# Altium PCB PCB1.PcbDoc
Units mm, origin at the board's own origin, x right, y up, seen from the top; angles counter-clockwise.
Board outline 152.4 x 101.6 mm, 2 copper layers (Top Layer, Bottom Layer); 15 components, 22 nets, 86 pads, 0 vias.
Unrouted connection lines stored in the file: 40.
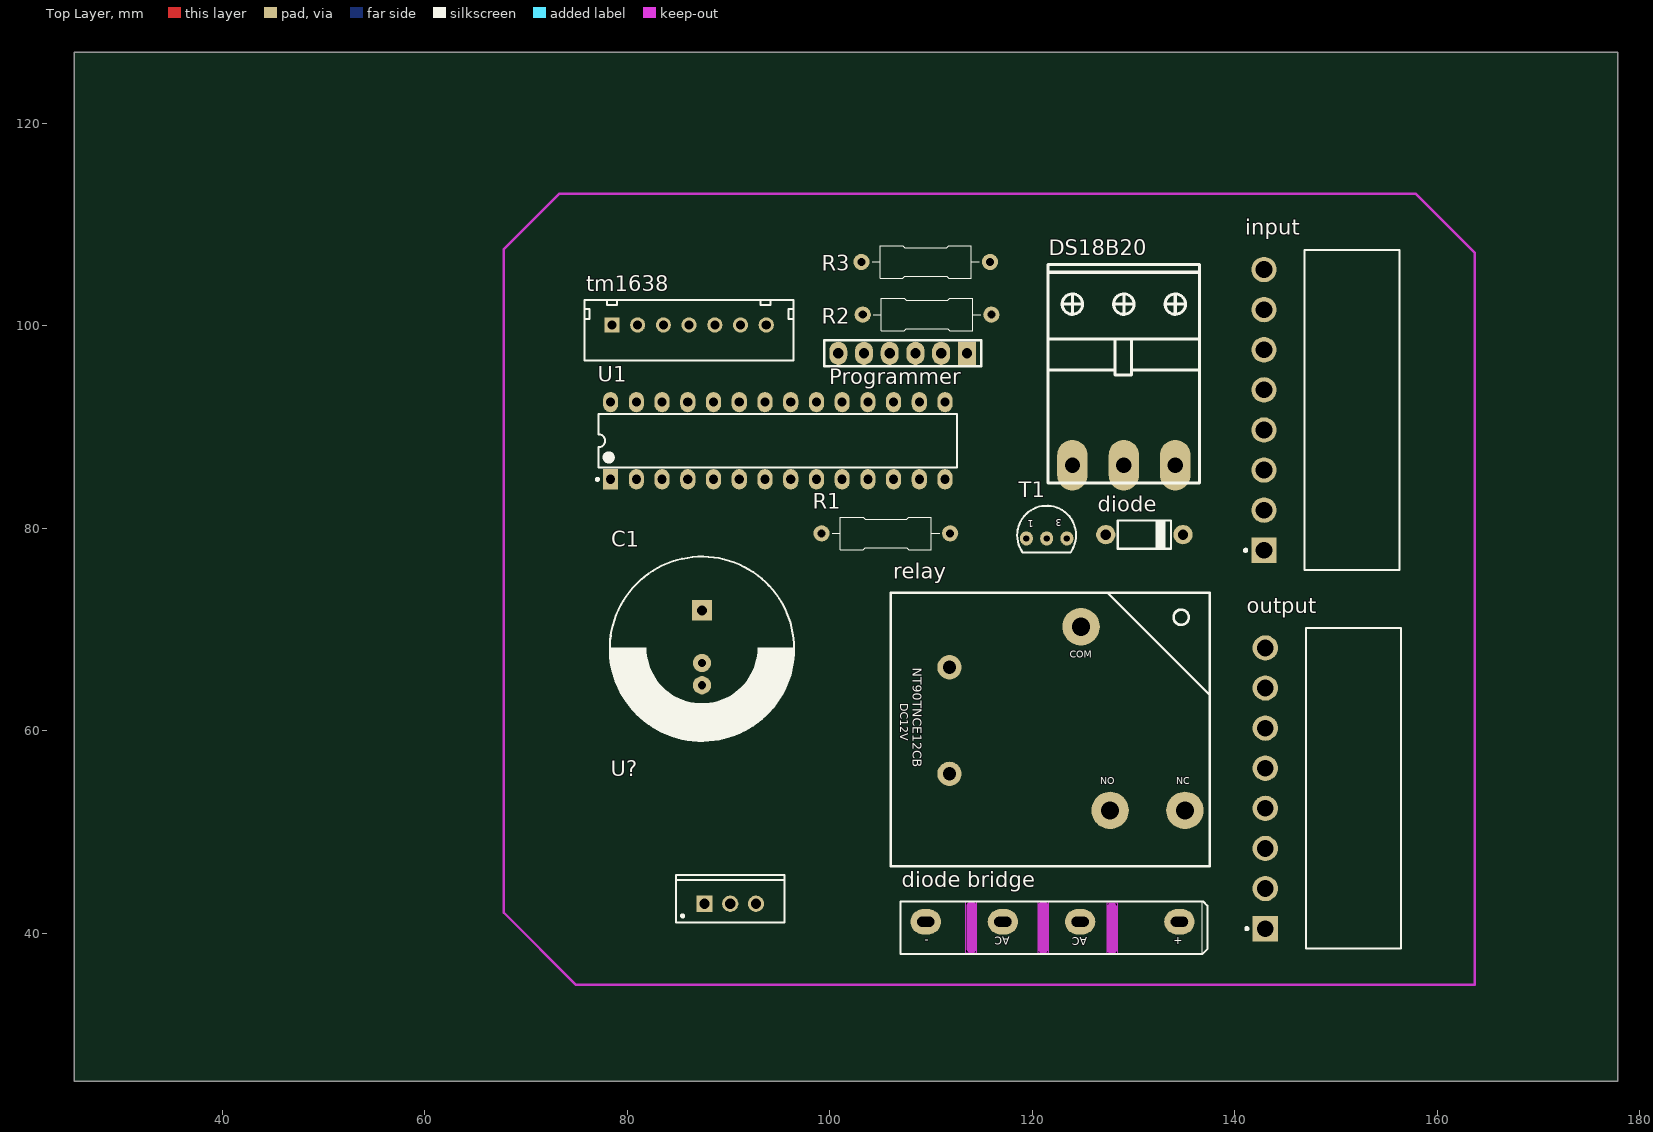
[diagram p0: Top Layer view]
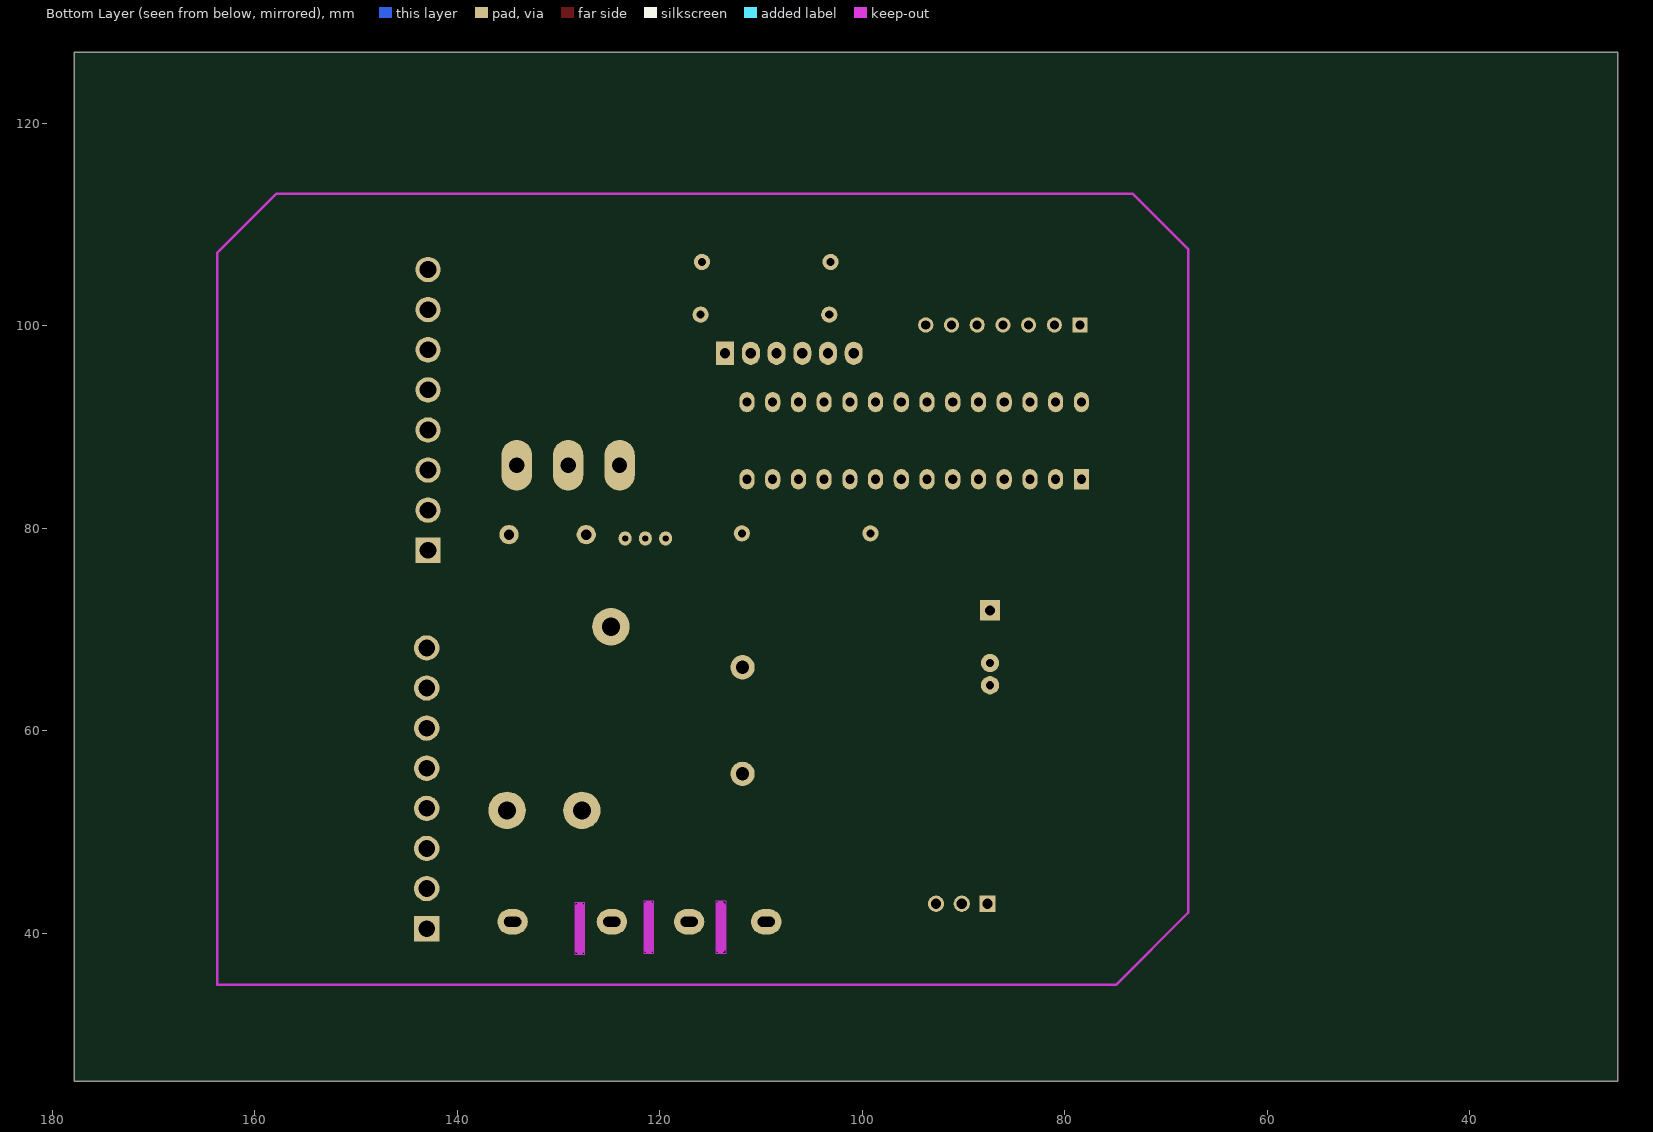
[diagram p1: Bottom Layer view, seen from below]

## Layer stack, top to bottom
Top Solder: solder mask 0.0102, Solder Resist, Dk 3.5
Top Layer: signal copper 0.0356
Dielectric 1: dielectric 0.32, FR-4, Dk 4.8
Bottom Layer: signal copper 0.0356
Bottom Solder: solder mask 0.0102, Solder Resist, Dk 3.5

## Board outline
25.4,25.4 177.8,25.4 177.8,127 25.4,127

## Design rules (kind name [scope] priority, off if disabled: settings)
Clearance [All] p1: gap=0.3 ignorepadtopadclearanceinfootprint=FALSE
PolygonConnect [All] p1: connectstyle=Relief reliefconductorwidth=0.254 reliefentries=4 polygonreliefangle="90 Angle" airgapwidth=0.254
RoomDefinition Sheet1 [InComponentClass('Sheet1')] p1: confinementstyle=ConfineIn formatcopy=TRUE lockcomponents=FALSE outline 0,0 50.8,0 50.8,25.4 0,25.4
RoutingLayers [All] p1: top layer_v5=FALSE bottom layer_v5=TRUE
RoutingVias [All] p1: holewidth=0.711 width=1.27 viastyle="Through Hole" minholewidth=0.711 minwidth=1.27 maxholewidth=0.711 maxwidth=1.27
SolderMaskExpansion [All] p1: expansion=0.102 istentingtop=FALSE
Width [All] p1: maxlimit=1.5 minlimit=0.3 preferedwidth=0.5
29 further rules are at their usual default settings.

## Components (designator, comment, footprint, x,y, rotation, side; value= is the part's Value field where it differs from the comment)
C1 "Cap 18x26" "Cap electrolitic radial 18x26" 87.376,68.199 r270 top value=3300uF25V
diode "DIP Diode" "Diode 1n4007" 127.254,79.375 r0 top
"diode bridge" "Diode Bridge" "Bridge KBJ PACKAGE" 121.999,41.148 r180 top
DS18B20 "PHONIX3" PHONIX3 123.952,86.233 r0 top
input "B8PS-VH(LF)(SN)" FP-B8PS-VH_LF_SN-MFG 151.575,91.688 r90 top
output "B8PS-VH(LF)(SN)" FP-B8PS-VH_LF_SN-MFG 151.702,54.327 r90 top
Programmer "Header 6" HDR1X6 113.538,97.282 r180 top
R1 "10K" "Axial 0_5W 5_0mm" 105.537,79.502 r180 top
R2 "10K" "Axial 0_5W 5_0mm" 109.601,101.092 r0 top
R3 "100" "Axial 0_5W 5_0mm" 109.474,106.299 r180 top
relay "RELAY NT90TNC12CB" "RELAY NT90TNC12CB" 123.444,61.214 r270 top
T1 "C945" c945 121.412,78.994 r180 top
tm1638 "Header H6B-XHA" "Header H7B-XHA" 86.106,100.076 r180 top
U1 "ATmega8A-PU" 28P3 94.869,88.646 r90 top
U? "L7805CV" "TO-220 AB WITH HEAT SINK" 90.17,42.926 r0 top

## Footprints (in the part's own frame and the unit in brackets; to place one, negate y for a bottom-side part, rotate by r counter-clockwise, add the part's x,y. Pads: shape width x height; smd on the part's side, far side on the other; paste and mask are expansions set on the pad)
28P3 [mm] "DIP, 28-Leads, Row Spacing 7.62mm, Pitch 2.54mm, Body 34.67x7.3mm"
  rect 2x1.5 hole 0.9: 1(-3.81,16.51)
  oval 2x1.5 hole 0.9: 2(-3.81,13.97) 3(-3.81,11.43) 4(-3.81,8.89) 5(-3.81,6.35) 6(-3.81,3.81) 7(-3.81,1.27) 8(-3.81,-1.27) 9(-3.81,-3.81) 10(-3.81,-6.35) 11(-3.81,-8.89) 12(-3.81,-11.43) 13(-3.81,-13.97) 14(-3.81,-16.51) 15(3.81,-16.51) 16(3.81,-13.97) 17(3.81,-11.43) 18(3.81,-8.89) 19(3.81,-6.35) 20(3.81,-3.81) 21(3.81,-1.27) 22(3.81,1.27) 23(3.81,3.81) 24(3.81,6.35) 25(3.81,8.89) 26(3.81,11.43) 27(3.81,13.97) 28(3.81,16.51)
  silkscreen extent -3.93,-17.7 2.65,17.93, body extent -3.95,-17.35 3.95,17.3, height 5.04
"Axial 0_5W 5_0mm" [mm] "Designer Abbas Basereh"
  round 1.6 hole 0.8: 1(6.35,0) 2(-6.35,0)
  silkscreen extent -5.3,-1.6 5.3,1.6, body extent -6.7,-1.65 6.7,1.65, height 4.02
"Bridge KBJ PACKAGE" [mm] "KBJ Bridge Rectifiers DESIGNER :ABBAS BASEREH"
  oval 3x2.5 hole 1 slot 1.7 at 0 deg: 1(-12.525,0) 2(-2.715,0) 3(4.905,0) 4(12.525,0)
  Keep-Out Layer board cut-out: 7.55,3.1 8.55,3.1 8.55,-2 7.55,-2
  Keep-Out Layer board cut-out: 0.425,3.1 1.425,3.1 1.425,-2 0.425,-2
  Keep-Out Layer board cut-out: -6.375,3.2 -5.375,3.2 -5.375,-1.9 -6.375,-1.9
  Keep-Out Layer lines w1: 8.025,2.625 8.025,-1.525 ; 0.925,2.625 0.925,-1.525 ; -5.875,2.725 -5.875,-1.425
  silkscreen extent -15.27,-2 15.03,3.2, body extent -15.07,-1.8 14.93,3, height 31.25
c945 [mil] "NPN Transistor"
  oval 50x55 hole 25: 1(78.74,0) 2(0,0) 3(-78.74,0)
  silkscreen extent -114,-127 115,54, body extent -94,-86 93,57, height 387
"Cap electrolitic radial 18x26" [mm] "Cap electrolitic radial 18x26-Design:Abbas Basereh"
  rect 2x2 hole 1: 1(-3.7,0)
  round 1.8 hole 0.8: 2(1.5,0) 2(3.7,0)
  silkscreen extent -9,-9.1 9.2,9.1, body extent -9,-9 9,9, height 27
"Diode 1n4007" [mil] "Diode 1N4007 : 1.0A RECTIFIER Case: DO-41 Case Material: Molded Plastic Terminals: Finish - Bright Tin Weight: 0.30 grams"
  round 75 hole 40: 1(0,0) 2(300,0)
  silkscreen extent 46,-55 253,55, body extent -16,-52 315,52, height 131
FP-B8PS-VH_LF_SN-MFG [mm]
  rect 2.5x2.5 hole 1.65 paste-1000 mask+0: 1(-13.86,8.7)
  round 2.5 hole 1.65 paste-1000 mask+0: 2(-9.9,8.7) 3(-5.94,8.7) 4(-1.98,8.7) 5(1.98,8.7) 6(5.94,8.7) 7(9.9,8.7) 8(13.86,8.7)
  silkscreen extent -15.81,-4.7 15.81,10.65, body extent -15.91,-6.3 15.91,10.05, height 0.25
HDR1X6 [mil]
  rect 70x90 hole 40: 1(0,0)
  oval 70x90 hole 40: 2(100,0) 3(200,0) 4(300,0) 5(400,0) 6(500,0)
  silkscreen extent -55,-50 555,50
"Header H7B-XHA" [mm]
  rect 1.5x1.5 hole 0.9: 1(7.62,0)
  round 1.5 hole 0.9: 2(5.08,0) 3(2.54,0) 4(0,0) 5(-2.54,0) 6(-5.08,0) 7(-7.62,0)
  silkscreen extent -10.33,-2.48 10.32,3.53, body extent -10.33,-2.48 10.32,3.53, height 7
PHONIX3 [mm]
  oval 3x5 hole 1.5: 1(0,0) 2(5.08,0) 3(10.16,0)
  silkscreen extent -2.41,-1.78 12.57,19.81
"RELAY NT90TNC12CB" [mm] "31.7x26.7x28 DESIGNER:ABBAS BASEREH"
  round 3.7 hole 1.8: 1(-9.068,1.365) 4(9.068,4.235) 5(9.068,11.626)
  round 2.4 hole 1.3: 2(-5.062,-11.626) 3(5.46,-11.626)
  silkscreen extent -12.43,-17.43 14.57,14.07, body extent -12.42,-17.42 14.58,14.08, height 27.76
"TO-220 AB WITH HEAT SINK" [mm] "Epoxy meets UL94, V0-Design:Abbas Basereh"
  rect 1.6x1.6 hole 1: 1(-2.54,0)
  round 1.6 hole 1: 2(0,0) 3(2.54,0)
  silkscreen extent -5.35,-1.85 5.35,2.85, body extent -11.75,-4.6 11.75,11.3, height 25

## Part data
C1: library part "Cap electrolitic radial 18x26", "Cap electrolitic radial", Data=16-12-2016, Designer="Abbas Basereh"
diode: library part "Diode DIP Package", "Diode DIP Package", Code_JEDEC=DO-204-AH, ComponentLink1Description="Manufacturer Link", ComponentLink1URL=http://www.fairchildsemi.com/, ComponentLink2Description=Datasheet, ComponentLink2URL=http://www.fairchildsemi.com/ds/1N%2F1N4148.pdf, DatasheetVersion=1997, LatestRevisionDate=17-Jul-2002, LatestRevisionNote="Re-released for DXP Platform.", PackageDescription="Diode, Axial; Body 3.8 x 1.9 mm (LxDia. max), Lead Dia. 0.53 mm (max)", Published=8-Jun-2000, Publisher="Altium Limited"
"diode bridge": library part "Diode Bridge TOTAL SIZE", "Full Wave Diode Bridge", ComponentLink1Description=Datasheet, ComponentLink2Description=Reference, Design Date=1395/11/09, Designer="Abbas Basereh", Mounting Technology="Surface Mount\Through-Hole", Status=Unreleased
input output: library part CMP-17439-000025-1, "CONN HEADER R/A 8POS 3.96MM", Color=Natural, Current Rating=10A, Voltage Rating=250V, Connector Type="Male Pin", Contact Material=Brass, Contact Mating Length=0.303inch, Contact Plating=Tin, Contact Type="Male Pin", Fastening Type=Ramp, Gender=Male, Housing Color=Natural, Lead Free="Lead Free", Mount="Through Hole", Number of Contacts=8, Number of Positions=8, Number of Rows=1, Orientation="Right Angle", Packaging=Bulk, Pitch=0.156inch, REACH SVHC="No SVHC", Series=VH, Termination=Solder
Programmer: "Header, 6-Pin", LatestRevisionDate=17-Jul-2002, LatestRevisionNote="Re-released for DXP Platform.", Publisher="Altium Limited"
R1 R2 R3: library part "RES Axial 0.5W", "RES Axial 0.5W", Data=4-1-2017, Desc.="RES Axial 0.5W", Designer="Abbas Basereh"
relay: "Relay_SPDT POWER NEEDLE", Category=NT90TNC12CB, ComponentLink1Description=Datasheet, Designer="Abbas Basereh", Mounting Technology=Through-Hole, PackageDescription=31.7x26.7x28, PackageReference="RELAY NT90TNC12CB", Pin Count=0, Update Date=2017-3-4
T1: "NPN Silicon Epitaxial Planar Transistor", ComponentLink1Description="Manufacturer Link", ComponentLink1URL=http://www.taitroncomponents.com/, ComponentLink2Description=Datasheet, ComponentLink2URL=http://www.taitroncomponents.com/, DatasheetVersion=2017, LatestRevisionDate=2017, LatestRevisionNote="IPC-7351 Footprint Added.", PackageDescription="3-Pin SOT-23 Package 0.95 mm Pitch, 2.3 mm Lead Span", PackageReference=SOT23, PackageVersion=2017-2-8, Published=2017-2-8, Publisher="Abbas Basereh"
tm1638: library part "Header H7B-XHA"
U1: "8-bit AVR Microcontroller, 8KB Flash, 512 Bytes EEPROM, 1KB SRAM, 28-pin PDIP, Industrial Grade (-40�C to 85�C)", Supplier Part Number 1=ATMEGA8A-PU-ND, ComponentLink1Description="Manufacturer Link", ComponentLink1URL=http://www.atmel.com/products/avr/default.asp?, ComponentLink2Description="ATmega8A Datasheet", ComponentLink2URL=http://www.atmel.com/dyn/resources/prod_documents/doc8159.pdf, ComponentLink3Description="ATmega8A Summary", ComponentLink3URL=http://www.atmel.com/dyn/resources/prod_documents/8159S.pdf, ComponentLink4Description="Atmel.com Home", ComponentLink4URL=http://www.atmel.com, DatasheetVersion=2017-1-5, PackageDescription="28-lead (0.300\"/7.62mm Wide) Plastic Dual Inline Package (PDIP)", PackageReference=28P3, PackageVersion=2017-1-5, Published=2017-1-5, Publisher="Abbas Basereh", Supplier 1=Digi-Key, Supplier 2=Farnell, Supplier 3=Mouser, Supplier Part Number 2=1748534, Supplier Part Number 3=556-ATMEGA8A-PU
U?: library part "L7805CV-Linear Voltage Regulator IC Positive 1 Output 5V 1.5A TO-220AB", "Linear Voltage Regulator IC Positive FIXED", Manufacturer=STMicroelectronics, Designer="Abbas Basereh", Link=https://www.aliexpress.com/item/, Part. No=L7805CV

## Nets (pads, with @x,y where several pads share a name; then routed paths per layer and width w, separated by ;. In a path a pad name is that pad's centre, name@x,y a point inside that pad or via, vN(x,y) a via of type N, cw(c..) or ccw(c..) an arc to the next point about the centre after c; other vN are vias at no path point)
+12: "diode bridge.1" diode.2 relay.3 U?.1
gnd: "diode bridge.4" C1.2 DS18B20.3 Programmer.6 relay.2 T1.2 U1.8 U1.22 U?.2
miso: Programmer.2 U1.18
mosi: Programmer.1 U1.17
"Netdiode bridge_2": "diode bridge.2" output.7 relay.5
"Netdiode bridge_3": "diode bridge.3" input.5 output.5
Netdiode_1: diode.1 T1.3
Netinput_1: input.1 output.1
Netinput_3: input.3 output.3
Netinput_7: input.7 relay.1
NetR3_2: R3.2 T1.1
Nettm1638_1: tm1638.1 U1.28
Nettm1638_2: tm1638.2 U1.27
Nettm1638_3: tm1638.3 U1.26
Nettm1638_4: tm1638.4 U1.25
Nettm1638_5: tm1638.5 U1.24
Nettm1638_6: tm1638.6 U1.23
out: R3.1 U1.2
reset: Programmer.4 R2.1 U1.1
sck: Programmer.3 U1.19
temp: DS18B20.2 R1.2
vcc: C1.1 DS18B20.1 Programmer.5 R1.1 R2.2 U1.7 U?.3
pads on no net: input.2 input.4 input.6 input.8 output.2 output.4 output.6 output.8 relay.4 tm1638.7 U1.3 U1.4 U1.5 U1.6 U1.9 U1.10 U1.11 U1.12 U1.13 U1.14 U1.15 U1.16 U1.20 U1.21

## Keep-outs
Keep-Out Layer:
  lines w0.254: 67.818,42.037 67.818,107.569 73.279,113.03 157.861,113.03 163.703,107.188 163.703,34.925 74.93,34.925 67.818,42.037

## Text inside footprints (layer, text, board x,y; h text height)
"diode bridge": Top Overlay "AC" at 125.407,39.623 h0.8 r180; Top Overlay "AC" at 117.774,39.648 h0.8 r180; Top Overlay "-" at 109.774,39.623 h0.8 r180; Top Overlay "+" at 134.874,39.623 h0.8 r180
relay: Top Overlay "NC" at 134.194,54.714 h0.7; Top Overlay "NO" at 126.694,54.714 h0.7; Top Overlay "COM" at 123.694,67.214 h0.7; Top Overlay "DC12V" at 106.944,62.714 h0.8 r270; Top Overlay "NT90TNCE12CB" at 108.194,66.214 h0.9 r270
T1: Top Overlay "1" at 120.117,80.804 h0.7 r180; Top Overlay "3" at 122.885,80.899 h0.7 r180